# Altium PCB FMC_ADC_128CH_10B.PcbDoc (part 12 of 14)
Units mm, origin at the board's own origin, x right, y up, seen from the top; angles counter-clockwise.
Board outline 76.5 x 69 mm, 8 copper layers (Top Layer, Int1 (Sign), Int2 (GND), Int3 (Sign), Int4 (Sign), Int5 (GND), Int6 (Sign), Bottom Layer), stack 1.433 mm thick; 815 components, 661 nets, 3772 pads, 2072 vias.
Unrouted connection lines stored in the file: 135.
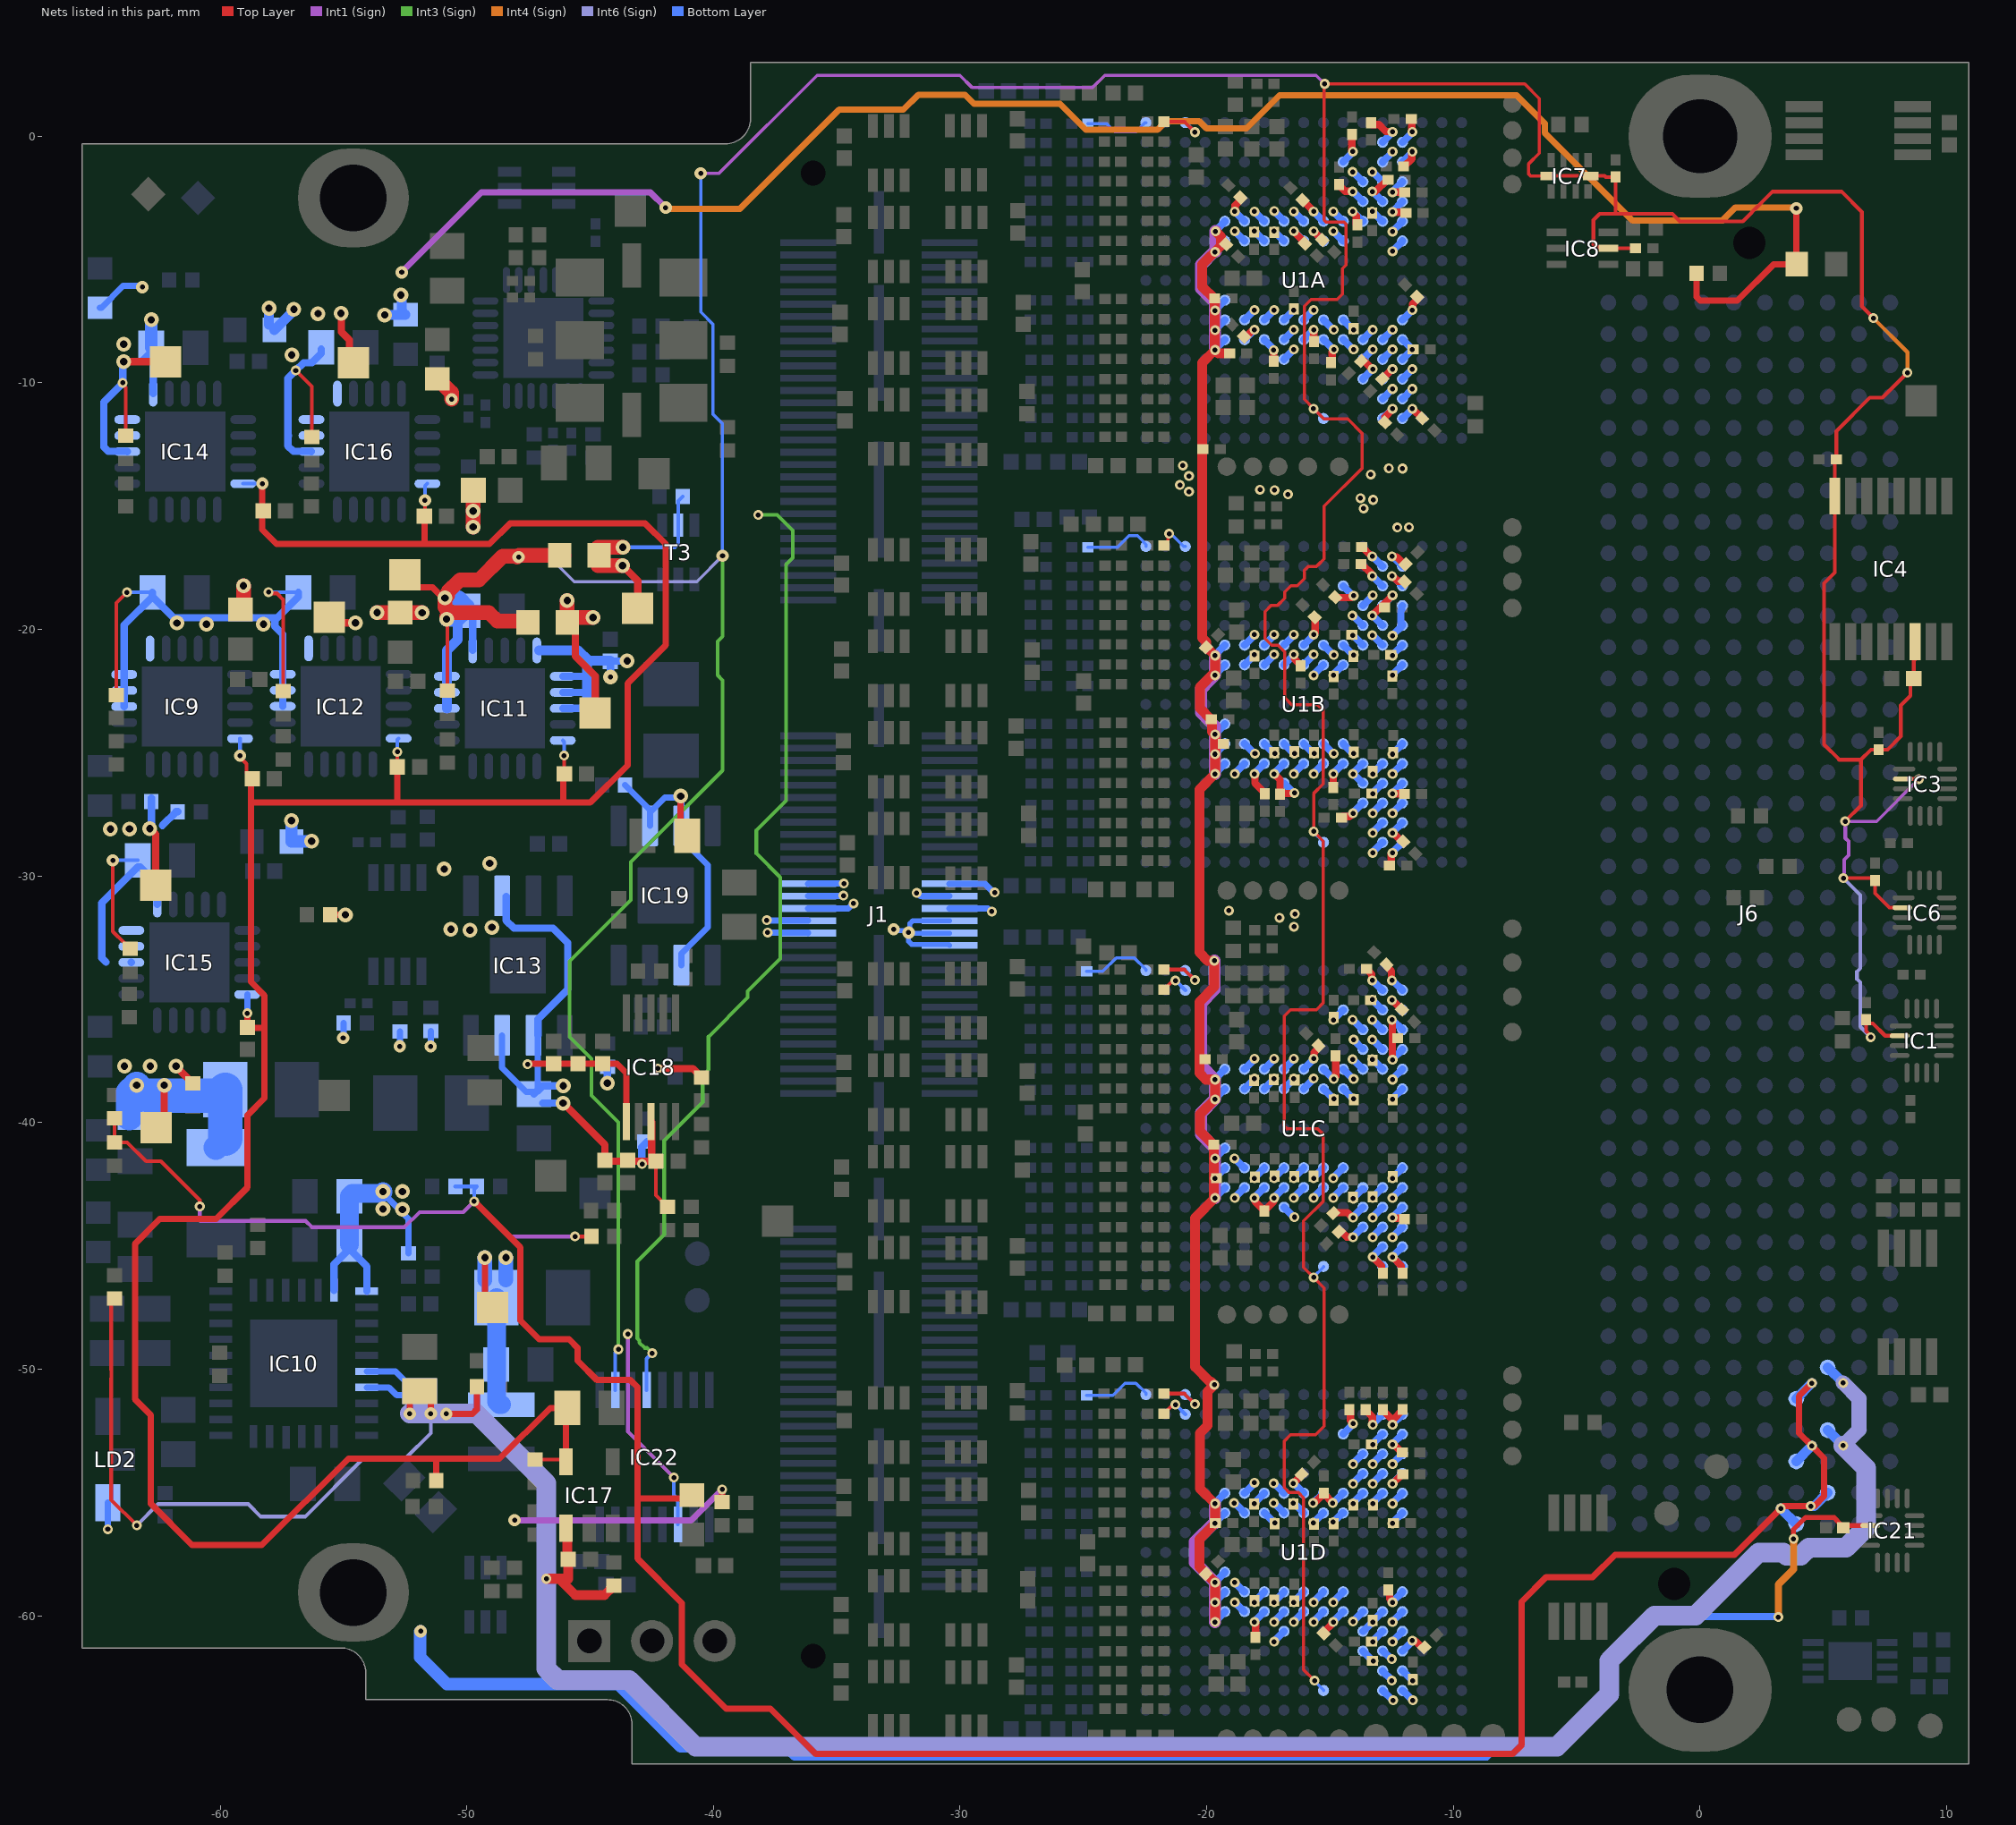
[diagram p18: the nets of this part, all layers, seen from the top]

## Via types
v1: diameter 0.4, hole 0.2, Top Layer to Bottom Layer, tented both sides, 1806 vias
v2: diameter 0.5, hole 0.2, Top Layer to Bottom Layer, tented both sides, 181 vias
v3: diameter 0.6, hole 0.3, Top Layer to Bottom Layer, tented both sides, 81 vias
v4: diameter 0.5, hole 0.3, Top Layer to Bottom Layer, tented both sides, 3 vias
v5: diameter 0.6, hole 0.2, Top Layer to Bottom Layer, tented both sides, 1 vias

## Nets (pads, with @x,y where several pads share a name; then routed paths per layer and width w, separated by ;. In a path a pad name is that pad's centre, name@x,y a point inside that pad or via, vN(x,y) a via of type N, cw(c..) or ccw(c..) an arc to the next point about the centre after c; other vN are vias at no path point) (continued)
NetR82C_1: R82C.1 U1C.C2 | length 1.2
  Top Layer w0.152: R82C.1@-21.739,-34.606 -21.719,-34.606 -21.585,-34.472 -21.585,-34.452 -21.416,-34.283 -21.313,-34.283 v1(-21.266,-34.235)
  Bottom Layer w0.152: v1(-21.266,-34.235) -21.262,-34.235 U1C.C2@-20.867,-34.63
NetR82D_1: R82D.1 U1D.C2 | length 1.2
  Top Layer w0.152: R82D.1@-21.739,-51.801 -21.719,-51.801 -21.585,-51.668 -21.585,-51.648 -21.416,-51.478 -21.313,-51.478 v1(-21.266,-51.431)
  Bottom Layer w0.152: v1(-21.266,-51.431) -21.262,-51.431 U1D.C2@-20.867,-51.825
NetR85A_2: R85A.2 U1A.A1 | length 2.6
  Bottom Layer w0.127: R85A.2@-24.817,0.515 -24.064,0.515 -23.734,0.185 -22.861,0.185 -22.491,0.555 U1A.A1@-22.467,0.555
NetR85B_2: R85B.2 U1B.A1 | length 2.8
  Bottom Layer w0.127: R85B.2@-24.817,-16.673 -23.621,-16.673 -23.144,-16.197 -22.81,-16.197 -22.574,-16.433 -22.574,-16.446 -22.467,-16.553 U1B.A1@-22.467,-16.634
NetR85C_2: R85C.2 U1C.A1 | length 2.9
  Bottom Layer w0.127: R85C.2@-24.867,-33.869 -24.223,-33.869 -23.667,-33.312 -22.941,-33.312 -22.467,-33.786 U1C.A1@-22.467,-33.83
NetR85D_2: R85D.2 U1D.A1 | length 2.8
  Bottom Layer w0.127: R85D.2@-24.867,-51.065 -23.806,-51.065 -23.309,-50.567 -22.872,-50.567 -22.467,-50.972 U1D.A1@-22.467,-51.025
NetR86A_1: R86A.1 U1A.C1 | length 2
  Top Layer w0.152: R86A.1@-21.739,0.592 -20.904,0.592 v1(-20.479,0.166)
  Bottom Layer w0.152: U1A.C1@-20.867,0.555 v1(-20.479,0.166)
NetR86B_1: R86B.1 U1B.C1 | length 1.4
  Top Layer w0.127: R86B.1@-21.739,-16.597 -21.719,-16.597 -21.573,-16.45 -21.573,-16.17 v1(-21.522,-16.119)
  Bottom Layer w0.127: v1(-21.522,-16.119) -21.452,-16.119 -20.937,-16.634 U1B.C1@-20.867,-16.634
NetR86C_1: R86C.1 U1C.C1 | length 2
  Top Layer w0.152: R86C.1@-21.739,-33.793 -20.904,-33.793 v1(-20.479,-34.218)
  Bottom Layer w0.152: U1C.C1@-20.867,-33.83 v1(-20.479,-34.218)
NetR86D_1: R86D.1 U1D.C1 | length 2
  Top Layer w0.152: R86D.1@-21.739,-50.989 -20.904,-50.989 v1(-20.479,-51.414)
  Bottom Layer w0.152: U1D.C1@-20.867,-51.025 v1(-20.479,-51.414)
P1V2D: C7A.2 C7B.2 C7C.2 C7D.2 C8A.2 C8B.2 C8C.2 C8D.2 C10A.2 C10B.2 C10C.2 C10D.2 C11A.2 C11B.2 C11C.2 C11D.2 C42A.2 C42B.2 C42C.2 C42D.2 C43A.2 C43B.2 C43C.2 C43D.2 C44A.2 C44B.2 C44C.2 C44D.2 C45A.2 C45B.2 C45C.2 C45D.2 C53A.2 C53B.2 C53C.2 C53D.2 C54A.2 C54B.2 C54C.2 C54D.2 C55A.2 C55B.2 C55C.2 C55D.2 C56A.2 C56B.2 C56C.2 C56D.2 C109.2 IC16.1 IC16.18 IC16.19 IC16.20 IC22.4 R102.2 TP15.1 U1A.L3 U1A.M4 U1A.M5 U1A.M6 U1A.M12 U1A.M13 U1A.M14 U1A.N2 U1A.N3 U1A.N4 U1A.N5 U1A.N6 U1A.N12 U1A.N13 U1A.N14 U1A.N15 U1A.N16 U1A.P2 U1A.P3 U1A.P15 U1A.P16 U1B.L3 U1B.M4 U1B.M5 U1B.M6 U1B.M12 U1B.M13 U1B.M14 U1B.N2 U1B.N3 U1B.N4 U1B.N5 U1B.N6 U1B.N12 U1B.N13 U1B.N14 U1B.N15 U1B.N16 U1B.P2 U1B.P3 U1B.P15 U1B.P16 U1C.L3 U1C.M4 U1C.M5 U1C.M6 U1C.M12 U1C.M13 U1C.M14 U1C.N2 U1C.N3 U1C.N4 U1C.N5 U1C.N6 U1C.N12 U1C.N13 U1C.N14 U1C.N15 U1C.N16 U1C.P2 U1C.P3 U1C.P15 U1C.P16 U1D.L3 U1D.M4 U1D.M5 U1D.M6 U1D.M12 U1D.M13 U1D.M14 U1D.N2 U1D.N3 U1D.N4 U1D.N5 U1D.N6 U1D.N12 U1D.N13 U1D.N14 U1D.N15 U1D.N16 U1D.P2 U1D.P3 U1D.P15 U1D.P16 | length 121
  Top Layer w0.15: v1(-56.934,-9.498) -56.281,-10.152 R102.2@-56.281,-12.193
  Top Layer w0.3: v3(-55.102,-7.181) -55.083,-7.2 -55.083,-7.931 -54.757,-8.257 -54.757,-9.035 TP15.1@-54.6,-9.192 ; C11C.2@-14.87,-43.667 -14.799,-43.667 -14.781,-43.649 -14.289,-43.649 -14.086,-43.852 v1(-14.067,-43.852) ; C10B.2@-14.791,-18.691 -14.774,-18.709 -14.147,-18.709 -14.072,-18.634 v1(-14.045,-18.634) ; C10A.2@-14.642,-1.953 -14.642,-1.978 -14.394,-2.226 -14.109,-2.226 v1(-14.09,-2.245) ; C54B.2@-14.536,-27.638 -14.486,-27.588 -14.226,-27.588 -14.094,-27.456 v1(-14.067,-27.456) ; C43D.2@-14.218,-51.632 -14.168,-51.682 -14.168,-52.075 -14.067,-52.176 v1(-14.067,-52.203) ; C43A.2@-14.117,0.079 -14.117,-0.545 -14.075,-0.588 v1(-14.075,-0.615) ; v1(-14.09,-3.045) -14.09,-3.072 -13.934,-3.228 -13.934,-3.544 C7A.2@-13.884,-3.594 ; v1(-14.067,-44.652) -14.086,-44.633 -14.328,-44.633 -14.561,-44.4 C10C.2@-14.623,-44.4 ; C43B.2@-13.745,-17.342 -13.72,-17.342 -13.309,-17.753 -13.309,-17.815 v1(-13.29,-17.834) ; C42A.2@-13.745,-9.114 -13.727,-9.096 -13.657,-9.096 -13.639,-9.114 -13.626,-9.114 -13.294,-9.445 v1(-13.267,-9.445) ; C53B.2@-13.714,-16.663 -13.689,-16.663 -13.338,-17.015 -13.309,-17.015 v1(-13.29,-17.034) ; C10D.2@-13.555,-51.632 -13.555,-51.657 -13.286,-51.926 -13.286,-52.229 v1(-13.267,-52.248) ; C53C.2@-13.518,-33.771 -13.493,-33.771 -13.443,-33.821 -13.443,-33.846 -13.309,-33.981 -13.309,-34.211 v1(-13.29,-34.23) ; C53A.2@-13.338,0.553 -13.338,0.528 -13.288,0.478 -13.021,0.478 -12.739,0.196 -12.486,0.196 v1(-12.467,0.177) ; v1(-13.29,-19.434) v1(-12.467,-18.611) ; v1(-13.29,-2.245) -13.27,-2.226 -13.147,-2.226 -12.679,-1.757 C55A.2@-12.654,-1.757 ; v1@-13.248,-45.471 -12.914,-45.805 -12.914,-46.053 C56C.2@-12.864,-46.103 ; C11A.2@-12.885,-9.837 -12.872,-9.837 -12.48,-9.445 v1(-12.467,-9.445) ; C53D.2@-12.864,-51.632 -12.864,-51.657 -12.486,-52.035 ; C56A.2@-12.773,-11.598 -12.79,-11.58 -12.79,-11.509 -12.773,-11.492 -12.773,-11.378 -12.467,-11.072 v1(-12.467,-11.045) ; C44C.2@-12.71,-33.586 -12.71,-33.657 -12.509,-33.858 -12.509,-34.211 v1(-12.49,-34.23) ; C56B.2@-12.592,-29.574 -12.567,-29.574 -12.517,-29.524 -12.517,-29.133 -12.467,-29.083 v1(-12.467,-29.056) ; v1(-12.49,-35.03) -12.478,-35.03 -12.095,-35.413 C7C.2@-12.084,-35.413 ; v1(-12.49,-17.834) -12.462,-17.834 -12.252,-18.044 -11.999,-18.044 C7B.2@-11.982,-18.062 ; v1(-12.49,-17.034) -12.47,-17.053 -12.301,-17.053 -11.993,-17.361 C44B.2@-11.944,-17.361 ; v1(-12.467,-53.048) -12.448,-53.067 -12.398,-53.067 -12.089,-53.375 C8D.2@-12.064,-53.375 ; v1(-12.467,-52.248) -12.448,-52.229 -12.448,-52.038 -12.064,-51.654 C44D.2@-12.064,-51.629 ; v1(-12.467,-45.452) -12.114,-45.805 -12.114,-46.052 C45C.2@-12.064,-46.102 ; v1(-12.467,-28.256) -12.44,-28.256 -12.101,-28.595 C45B.2@-12.033,-28.595 ; C8A.2@-12.023,-1.221 -11.998,-1.221 -11.686,-0.91 -11.686,-0.642 v1(-11.667,-0.623) ; C44A.2@-11.712,0.703 -11.686,0.677 -11.686,0.196 v1(-11.667,0.177) ; v1(-11.667,-11.045) -11.659,-11.045 -11.27,-11.435 C45A.2@-11.262,-11.435 ; C10C.2@-14.623,-44.4 -14.632,-44.4 C10C.2@-14.649,-44.418 -14.641,-44.418 C10C.2@-14.623,-44.4
  Int3 (Sign) w0.15: v1(-42.486,-49.349) -42.701,-49.133 -42.787,-49.133 -43.001,-48.92 -43.001,-48.834 -43.087,-48.748 -43.087,-45.623 -41.998,-44.535 -41.998,-40.728 -40.437,-39.166 -40.437,-38.082 -40.2,-37.845 -40.2,-36.513 -38.611,-34.924 -38.611,-34.667 -37.29,-33.346 -37.29,-30.052 -38.259,-29.084 -38.259,-28.146 -37.05,-26.938 -37.05,-17.357 -36.785,-17.093 -36.785,-15.99 -37.419,-15.356 v1(-38.182,-15.356)
  Bottom Layer w0.15: IC22.4@-42.707,-50.844 -42.707,-49.57 v1(-42.486,-49.349)
  Bottom Layer w0.3: -57.244,-11.487 -57.252,-11.496 ; -57.227,-12.137 -57.252,-12.163 ; IC16.18@-56.296,-12.787 -56.306,-12.777 -57.028,-12.777 -57.252,-12.553 -57.252,-12.163 ; C109.2@-55.9,-8.63 -55.9,-8.805 -56.275,-9.18 -56.617,-9.18 v1(-56.934,-9.498) -57.252,-9.816 -57.252,-11.496 ; v1(-14.865,-35.837) -14.865,-35.832 -14.467,-35.434 U1C.L3@-14.467,-35.43 ; U1A.L3@-14.475,-1.037 v1@-14.075,-0.637 ; U1D.L3@-14.467,-52.625 v1@-14.067,-52.225 ; U1B.L3@-14.467,-18.234 v1@-14.067,-18.634 ; v1(-14.094,-19.434) -14.081,-19.434 -13.692,-19.823 U1B.M5@-13.663,-19.823 ; v1@-14.071,-60.23 U1D.M12@-13.667,-59.825 ; v1@-14.067,-55.425 U1D.M6@-13.667,-55.025 ; v1@-14.067,-54.625 U1D.M5@-13.667,-54.225 ; v1@-14.067,-53.825 U1D.M4@-13.667,-53.425 ; v1@-14.067,-44.63 U1C.M14@-13.667,-44.23 ; v1@-14.067,-43.83 U1C.M13@-13.667,-43.43 ; v1@-14.067,-37.43 U1C.M6@-13.667,-37.83 ; v1@-14.067,-35.83 U1C.M4@-13.667,-36.23 ; v1@-14.067,-27.434 U1B.M14@-13.667,-27.034 ; v1(-14.067,-25.856) -14.056,-25.856 -13.678,-26.234 U1B.M13@-13.667,-26.234 ; v1@-14.067,-25.834 U1B.M12@-13.667,-25.434 ; v1@-14.067,-20.234 U1B.M6@-13.667,-20.634 ; v1@-14.067,-3.045 U1A.M6@-13.667,-3.445 ; v1@-14.067,-2.245 U1A.M5@-13.667,-2.645 ; v1@-14.067,-1.445 U1A.M4@-13.667,-1.845 ; v1(-14.059,-43.084) -14.059,-43.056 -13.697,-42.694 U1C.M12@-13.641,-42.694 ; v1(-14.045,-36.63) -14.045,-36.641 -13.683,-37.003 U1C.M5@-13.663,-37.003 ; U1D.M14@-13.667,-61.425 v1@-13.267,-61.825 ; U1D.M13@-13.667,-60.625 -13.656,-60.625 -13.278,-60.248 v1(-13.267,-60.248) ; U1B.M4@-13.667,-19.034 v1@-13.267,-18.634 ; U1A.M14@-13.667,-9.845 v1(-13.267,-9.445) ; U1A.M13@-13.667,-9.045 v1(-13.267,-8.645) ; U1A.M12@-13.667,-8.245 v1(-13.267,-7.845) ; v1(-13.289,-35.008) U1C.N3@-12.867,-35.43 ; v1@-13.267,-61.025 U1D.N13@-12.867,-60.625 ; v1@-13.267,-60.225 U1D.N12@-12.867,-59.825 ; v1@-13.267,-55.425 U1D.N6@-12.867,-55.025 ; v1@-13.267,-54.625 U1D.N5@-12.867,-54.225 ; v1@-13.267,-53.825 U1D.N4@-12.867,-53.425 ; v1@-13.267,-53.025 U1D.N3@-12.867,-52.625 ; v1@-13.267,-52.225 U1D.N2@-12.867,-51.825 ; v1(-13.267,-45.452) -13.256,-45.452 -12.878,-45.83 U1C.N16@-12.867,-45.83 ; v1@-13.267,-45.43 U1C.N15@-12.867,-45.03 ; v1@-13.267,-44.63 U1C.N14@-12.867,-44.23 ; v1@-13.267,-43.83 U1C.N13@-12.867,-43.43 ; v1@-13.267,-43.03 U1C.N12@-12.867,-42.63 ; v1@-13.267,-37.43 U1C.N6@-12.867,-37.83 ; v1@-13.267,-36.63 U1C.N5@-12.867,-37.03 ; v1@-13.267,-35.83 U1C.N4@-12.867,-36.23 ; v1@-13.267,-34.23 U1C.N2@-12.867,-34.63 ; v1@-13.267,-29.034 U1B.N16@-12.867,-28.634 ; v1@-13.267,-28.234 U1B.N15@-12.867,-27.834 ; v1@-13.267,-27.434 U1B.N14@-12.867,-27.034 ; v1@-13.267,-26.634 U1B.N13@-12.867,-26.234 ; v1@-13.267,-25.834 U1B.N12@-12.867,-25.434 ; v1@-13.267,-20.234 U1B.N6@-12.867,-20.634 ; v1@-13.267,-19.434 U1B.N5@-12.867,-19.834 ; v1@-13.267,-17.834 U1B.N3@-12.867,-18.234 ; v1@-13.267,-17.034 U1B.N2@-12.867,-17.434 ; v1@-13.267,-3.045 U1A.N6@-12.867,-3.445 ; v1@-13.267,-2.245 U1A.N5@-12.867,-2.645 ; v1@-13.267,-1.445 U1A.N4@-12.867,-1.845 ; U1D.N16@-12.867,-63.025 v1@-12.467,-63.425 ; U1D.N15@-12.867,-62.225 -12.867,-62.241 -12.498,-62.61 v1(-12.498,-62.625) ; U1D.N14@-12.867,-61.425 -12.848,-61.425 -12.517,-61.757 v1(-12.498,-61.757) ; U1B.N4@-12.867,-19.034 v1@-12.467,-18.634 ; U1A.N16@-12.867,-11.445 v1(-12.467,-11.045) ; U1A.N15@-12.867,-10.645 v1(-12.467,-10.245) ; U1A.N14@-12.867,-9.845 v1(-12.467,-9.445) ; U1A.N13@-12.867,-9.045 v1(-12.467,-8.645) ; U1A.N12@-12.867,-8.245 v1(-12.467,-7.845) ; U1A.N3@-12.867,-1.045 v1@-12.467,-0.645 ; U1A.N2@-12.867,-0.245 v1@-12.467,0.155 ; v1@-12.467,-53.025 U1D.P3@-12.067,-52.625 ; v1@-12.467,-52.225 U1D.P2@-12.067,-51.825 ; v1(-12.467,-45.452) -12.456,-45.452 -12.078,-45.83 U1C.P16@-12.067,-45.83 ; v1@-12.467,-45.43 U1C.P15@-12.067,-45.03 ; v1@-12.467,-35.03 U1C.P3@-12.067,-35.43 ; v1@-12.467,-34.23 U1C.P2@-12.067,-34.63 ; v1@-12.467,-29.034 U1B.P16@-12.067,-28.634 ; v1@-12.467,-28.234 U1B.P15@-12.067,-27.834 ; v1@-12.467,-17.834 U1B.P3@-12.067,-18.234 ; v1@-12.467,-17.034 U1B.P2@-12.067,-17.434 ; U1D.P16@-12.067,-63.025 v1@-11.667,-63.425 ; U1D.P15@-12.067,-62.225 v1@-11.667,-62.625 ; U1A.P16@-12.067,-11.445 v1(-11.667,-11.045) ; U1A.P15@-12.067,-10.645 v1(-11.667,-10.245) ; U1A.P3@-12.067,-1.045 v1@-11.667,-0.645 ; U1A.P2@-12.067,-0.245 v1@-11.667,0.155 ; -57.252,-12.163 -57.252,-11.496
  other v1: -12.445,-63.425 -11.645,-63.425 -11.645,-62.625 -13.245,-61.825 -13.267,-61.048 -14.071,-60.231 -14.067,-55.448 -13.267,-55.448 -14.067,-54.648 -13.267,-54.648 -14.067,-53.848 -13.267,-53.848 -13.267,-53.048 -13.267,-44.652 -13.267,-43.852 -13.267,-43.052 -14.09,-37.43 -13.29,-37.43 -13.29,-36.63 -14.09,-35.83 -13.29,-35.83 -13.267,-29.056 -13.267,-28.256 -13.267,-27.456 -13.267,-26.656 -13.267,-25.856 -14.09,-20.234 -13.29,-20.234 -13.267,-18.611 -13.643,-15.096 -13.253,-14.744 -13.767,-14.68 -20.72,-14.411 -21.09,-14.14 -20.72,-13.778 -13.348,-13.712 -20.973,-13.356 -13.29,-3.045 -14.09,-1.445 -13.29,-1.445 -12.467,-0.623
  other v3: -57.097,-8.862 -56.028,-7.192
P1V4: C97.2 C99.2 IC10.22 IC10.23 L12.1 R109.2 | length 11.9
  Bottom Layer w0.254: C97.2@-54.762,-45.12 C97.2@-54.762,-44.945 ; v3@-53.275,-42.986 -52.361,-43.899 R109.2@-52.361,-45.298
  Bottom Layer w0.3: IC10.22@-55.381,-46.798 -55.381,-45.739 -54.762,-45.12 -54.052,-45.831 IC10.23@-54.052,-46.835
  Bottom Layer w0.4: v3(-53.326,-7.247) -53.32,-7.241 -52.493,-7.241 L12.1@-52.487,-7.235 -52.634,-7.088 -52.634,-6.479 v3(-52.673,-6.441)
  Bottom Layer w0.762: C97.2@-54.762,-44.945 C99.2@-54.762,-42.986 -54.65,-42.874 -53.463,-42.874 -53.398,-42.809 v3(-53.398,-42.795)
  other v3: -52.606,-43.519 -53.398,-43.5 -52.606,-42.795
P1V8: C63.2 C65.1 C66.1 C67.2 C68.1 C84.2 C290.1 C292.1 IC1.2 IC3.2 IC4.6 IC4.16 IC6.2 IC7.5 IC7.10 IC8.5 IC11.1 IC11.18 IC11.19 IC11.20 IC22.2 L7.1 L8.1 R91.2 TP9.1 U1A.K16 U1B.K16 U1C.K16 U1D.K16 | length 278.7
  Top Layer w0.127: v1(-15.67,-11.045) -15.251,-11.464 -14.286,-11.464 -13.694,-12.057 -13.694,-13.453 -15.241,-15 -15.241,-17.136 -15.487,-17.382 -15.493,-17.382 -15.55,-17.438 -15.879,-17.438 -16.041,-17.6 -16.041,-17.936 -16.334,-18.229 -16.59,-18.229 -16.841,-18.479 -16.841,-18.736 -17.139,-19.034 -17.395,-19.034 -17.641,-19.279 -17.641,-20.366 -17.369,-20.638 -17.113,-20.638 -16.841,-20.91 -16.841,-22.766 -16.547,-23.06 -15.49,-23.06 -15.271,-23.279 -15.271,-25.189 -15.274,-25.191 -15.274,-26.26 -15.667,-26.654 v1(-15.667,-28.189) -15.274,-28.582 -15.274,-35.142 -15.553,-35.421 -16.601,-35.421 -16.852,-35.673 -16.852,-40.144 -16.74,-40.256 -15.49,-40.256 -15.271,-40.475 -15.271,-43.184 -16.078,-43.991 -16.078,-45.864 v1(-15.667,-46.274) -15.241,-46.701 -15.241,-52.305 -15.588,-52.652 -16.6,-52.652 -16.863,-52.915 -16.863,-54.78 -16.852,-54.791 -16.852,-54.801 -16.651,-55.002 -16.276,-55.002 -16.071,-55.207 -16.071,-62.185 v1(-15.627,-62.629) ; v1@-15.67,-11.037 -16.041,-10.666 -16.041,-6.891 -15.769,-6.619 -14.712,-6.619 -14.494,-6.4 -14.494,-5.366 -14.351,-5.223 -14.351,-3.561 -14.441,-3.472 -15.166,-3.472 -15.241,-3.397 -15.241,2.101 v1(-15.217,2.125) -7.109,2.125 -6.512,1.528 -6.512,-0.681 -6.946,-1.114 -6.946,-1.531 -6.872,-1.605 IC7.5@-6.148,-1.605
  Top Layer w0.152: v3(-50.82,-19.581) -50.788,-19.613 R91.2@-50.788,-22.482 ; IC7.5@-6.148,-1.605 IC7.10@-4.428,-1.605 -3.867,-1.605 -3.819,-1.653 C68.1@-3.421,-1.653 -3.421,-3.146 ; C67.2@-2.616,-4.543 IC8.5@-3.717,-4.543 -3.767,-4.493 -4.235,-4.493 -4.324,-4.403 -4.324,-3.4 -4.07,-3.146 -3.421,-3.146 ; C290.1@5.494,-13.097 5.494,-13.181 5.463,-13.211 5.463,-13.486 IC4.16@5.463,-14.589 5.463,-17.691 5.023,-18.132 5.023,-24.664 5.638,-25.28 6.523,-25.28 ; C290.1@5.525,-13.097 5.525,-11.958 6.884,-10.6 7.394,-10.6 v1(8.409,-9.585) ; v1@5.819,-30.081 6.994,-30.081 C65.1@7.092,-30.179 7.092,-30.693 7.679,-31.279 IC6.2@8.2,-31.279 ; v1(5.887,-27.784) 6.523,-27.148 6.523,-25.28 ; C292.1@6.733,-35.826 C292.1@6.733,-35.851 ; v1(6.919,-36.532) 6.919,-36.466 6.733,-36.28 C292.1@6.733,-35.851 ; v1(7.025,-7.374) 7.029,-7.378 7.043,-7.378 6.559,-6.894 6.559,-3.068 5.734,-2.243 2.941,-2.243 2.476,-2.708 1.734,-3.45 -0.819,-3.45 -1.124,-3.146 -3.421,-3.146 ; IC1.2@8.091,-36.476 7.505,-36.476 7.004,-35.975 6.856,-35.975 C292.1@6.733,-35.851 ; IC3.2@8.223,-26.06 8.226,-26.063 8.871,-26.063 v1(8.875,-26.067) ; IC4.6@8.713,-20.489 8.713,-21.231 8.663,-21.281 C63.2@8.663,-21.984 8.528,-22.119 8.528,-22.688 8.141,-23.076 8.141,-24.336 7.602,-24.874 C66.1@7.242,-24.874 6.928,-24.874 6.523,-25.28
  Top Layer w0.254: TP9.1@-52.505,-17.785 -51.997,-18.293 -51.393,-18.293 -50.961,-18.724 v3(-50.884,-18.724)
  Top Layer w0.6: v3@-50.82,-19.474 -50.661,-19.315 -49.105,-19.315 -48.759,-19.661 -47.577,-19.661 L8.1@-47.523,-19.715 ; -50.779,-19.199 -50.884,-19.094 v3(-50.884,-18.724) -50.779,-18.619 -50.779,-18.495 -50.274,-17.989 -49.506,-17.989 -48.551,-17.034 v2@-47.935,-17.034 ; v2@-47.972,-17.066 -47.9,-16.994 L7.1@-46.234,-16.994 L7.1@-46.059,-16.994
  Int1 (Sign) w0.127: v2(-40.515,-1.503) -40.505,-1.494 -39.767,-1.494 -35.8,2.473 -30.011,2.473 -29.525,1.987 -24.621,1.987 -24.136,2.473 -15.566,2.473 v1(-15.217,2.125) ; v1(5.887,-27.784) 7.158,-27.784 v1(8.875,-26.067)
  Int1 (Sign) w0.152: v1(5.81,-30.081) 5.839,-30.052 5.839,-29.343 6.025,-29.158 6.025,-28.597 5.887,-28.459 v1(5.887,-27.784)
  Int3 (Sign) w0.15: v1(-43.851,-49.189) -43.851,-39.991 -44.943,-38.899 -44.943,-37.405 -45.832,-36.516 -45.832,-33.453 -43.343,-30.964 -43.343,-29.43 -39.63,-25.717 -39.63,-22.061 -39.836,-21.855 -39.836,-20.484 -39.63,-20.279 v2(-39.63,-17.011)
  Int4 (Sign) w0.152: v1(7.025,-7.374) 8.409,-8.758 v1(8.409,-9.585)
  Int6 (Sign) w0.127: v2(-47.9,-17.069) -46.635,-17.069 -45.646,-18.059 -40.677,-18.059 v2(-39.63,-17.011)
  Int6 (Sign) w0.152: v1(5.81,-30.081) 6.497,-30.767 6.497,-33.739 6.364,-33.872 6.364,-34.176 6.497,-34.309 6.497,-36.11 v1(6.919,-36.532)
  Bottom Layer w0.127: v2(-40.515,-1.503) -40.515,-7.124 -40.011,-7.627 -40.011,-11.275 -39.63,-11.656 v2(-39.63,-17.011) ; v1(-15.67,-11.045) -15.669,-11.045 -15.269,-11.445 U1A.K16@-15.267,-11.445 ; v1(-15.667,-46.274) -15.667,-46.252 -15.267,-45.852 U1C.K16@-15.267,-45.83 ; v1(-15.667,-28.189) -15.667,-28.211 -15.267,-28.611 U1B.K16@-15.267,-28.634 ; v1(-15.627,-62.629) -15.627,-62.647 -15.267,-63.007 U1D.K16@-15.267,-63.025
  Bottom Layer w0.15: IC22.2@-43.977,-50.844 -43.977,-49.316 v1(-43.851,-49.189)
  Bottom Layer w0.3: C84.2@-50.256,-19.695 -49.977,-19.416 C84.2@-49.977,-19.241 -49.76,-19.457 IC11.1@-49.76,-20.851
  Bottom Layer w0.4: IC11.18@-50.81,-23.201 IC11.19@-50.81,-22.551 IC11.20@-50.81,-21.901 -50.81,-20.85 -50.37,-20.41 C84.2@-50.37,-19.581
  Bottom Layer w0.6: v3(-50.884,-18.724) -50.318,-18.724 -49.977,-19.066 C84.2@-49.977,-19.241 ; v3(-50.82,-19.581) C84.2@-50.37,-19.581
P1V8A: C16A.2 C16B.2 C16C.2 C16D.2 C18A.2 C18B.2 C18C.2 C18D.2 C25A.2 C25B.2 C25C.2 C25D.2 C29A.2 C29B.2 C29C.2 C29D.2 L7.2 R123.2 T3.5 TP8.1 U1A.K6 U1A.K7 U1A.K11 U1A.K12 U1A.L6 U1A.L7 U1A.L11 U1A.L12 U1B.K6 U1B.K7 U1B.K11 U1B.K12 U1B.L6 U1B.L7 U1B.L11 U1B.L12 U1C.K6 U1C.K7 U1C.K11 U1C.K12 U1C.L6 U1C.L7 U1C.L11 U1C.L12 U1D.K6 U1D.K7 U1D.K11 U1D.K12 U1D.L6 U1D.L7 U1D.L11 U1D.L12 | length 31.5
  Top Layer w0.3: v3(-43.682,-17.412) -43.072,-18.022 TP8.1@-43.072,-19.145 ; C16A.2@-16.11,-2.585 -16.11,-2.594 -15.667,-3.036 v1(-15.667,-3.045) ; v1@-15.67,-55.445 v1(-15.69,-55.425) -15.67,-55.406 -15.617,-55.406 C16D.2@-15.256,-55.046 ; v1(-15.667,-3.845) -15.667,-3.851 -15.32,-4.198 C25A.2@-15.32,-4.204 ; C29D.2@-15.26,-60.706 -15.26,-60.668 -14.867,-60.275 v1(-14.867,-60.248) ; C16D.2@-15.256,-55.021 C16D.2@-15.256,-55.046 ; C29A.2@-14.969,-9.181 -14.919,-9.131 -14.919,-8.746 -14.845,-8.672 v1(-14.845,-8.645) ; v1(-14.89,-55.425) -14.89,-55.412 C16D.2@-15.256,-55.046 ; C29B.2@-14.867,-26.4 v1(-14.867,-25.856) ; v1(-14.845,-38.23) -14.845,-38.203 -14.774,-38.132 C16C.2@-14.774,-37.294
  Top Layer w0.6: L7.2@-44.689,-17.412 v3(-43.682,-17.412) ; L7.2@-44.679,-16.668 v3(-43.672,-16.668)
  Bottom Layer w0.15: v3(-43.672,-16.668) -41.563,-16.668 -41.424,-16.529 T3.5@-41.424,-15.771 -41.424,-14.785 R123.2@-41.243,-14.604
  Bottom Layer w0.3: v1(-15.69,-55.425) -15.678,-55.425 -15.278,-55.025 U1D.K6@-15.267,-55.025 ; v1@-15.667,-60.225 U1D.K12@-15.267,-59.825 ; v1@-15.667,-59.425 U1D.K11@-15.267,-59.025 ; v1@-15.667,-56.225 U1D.K7@-15.267,-55.825 ; v1@-15.667,-43.03 U1C.K12@-15.267,-42.63 ; v1@-15.667,-42.23 U1C.K11@-15.267,-41.83 ; v1@-15.667,-25.834 U1B.K12@-15.267,-25.434 ; v1@-15.667,-21.834 U1B.K7@-15.267,-21.434 ; v1(-15.667,-3.845) U1A.K7@-15.267,-4.245 ; v1(-15.667,-3.045) U1A.K6@-15.267,-3.445 ; U1C.K7@-15.267,-38.63 v1@-14.867,-39.03 ; U1C.K6@-15.267,-37.83 v1@-14.867,-38.23 ; U1B.K11@-15.267,-24.634 v1@-14.867,-25.034 ; U1B.K6@-15.267,-20.634 v1@-14.867,-21.034 ; U1A.K12@-15.267,-8.245 v1@-14.867,-8.645 ; U1A.K11@-15.267,-7.445 v1@-14.867,-7.845 ; v1(-14.89,-55.425) -14.878,-55.425 -14.478,-55.025 U1D.L6@-14.467,-55.025 ; v1@-14.867,-60.225 U1D.L12@-14.467,-59.825 ; v1@-14.867,-59.425 U1D.L11@-14.467,-59.025 ; v1@-14.867,-56.197 -14.495,-55.825 U1D.L7@-14.467,-55.825 ; v1@-14.867,-43.03 U1C.L12@-14.467,-42.63 ; v1@-14.867,-42.23 U1C.L11@-14.467,-41.83 ; v1@-14.867,-25.834 U1B.L12@-14.467,-25.434 ; v1@-14.867,-21.834 U1B.L7@-14.467,-21.434 ; v1(-14.867,-3.845) U1A.L7@-14.467,-4.245 ; v1(-14.867,-3.045) U1A.L6@-14.467,-3.445 ; U1C.L7@-14.467,-38.63 v1@-14.067,-39.03 ; U1C.L6@-14.467,-37.83 v1@-14.067,-38.23 ; U1B.L11@-14.467,-24.634 v1@-14.067,-25.034 ; U1B.L6@-14.467,-20.634 v1@-14.067,-21.034 ; U1A.L12@-14.467,-8.245 v1@-14.067,-8.645 ; U1A.L11@-14.467,-7.445 v1@-14.067,-7.845